# Allegro board ADALM-PLUTO Layout.brd (continued)
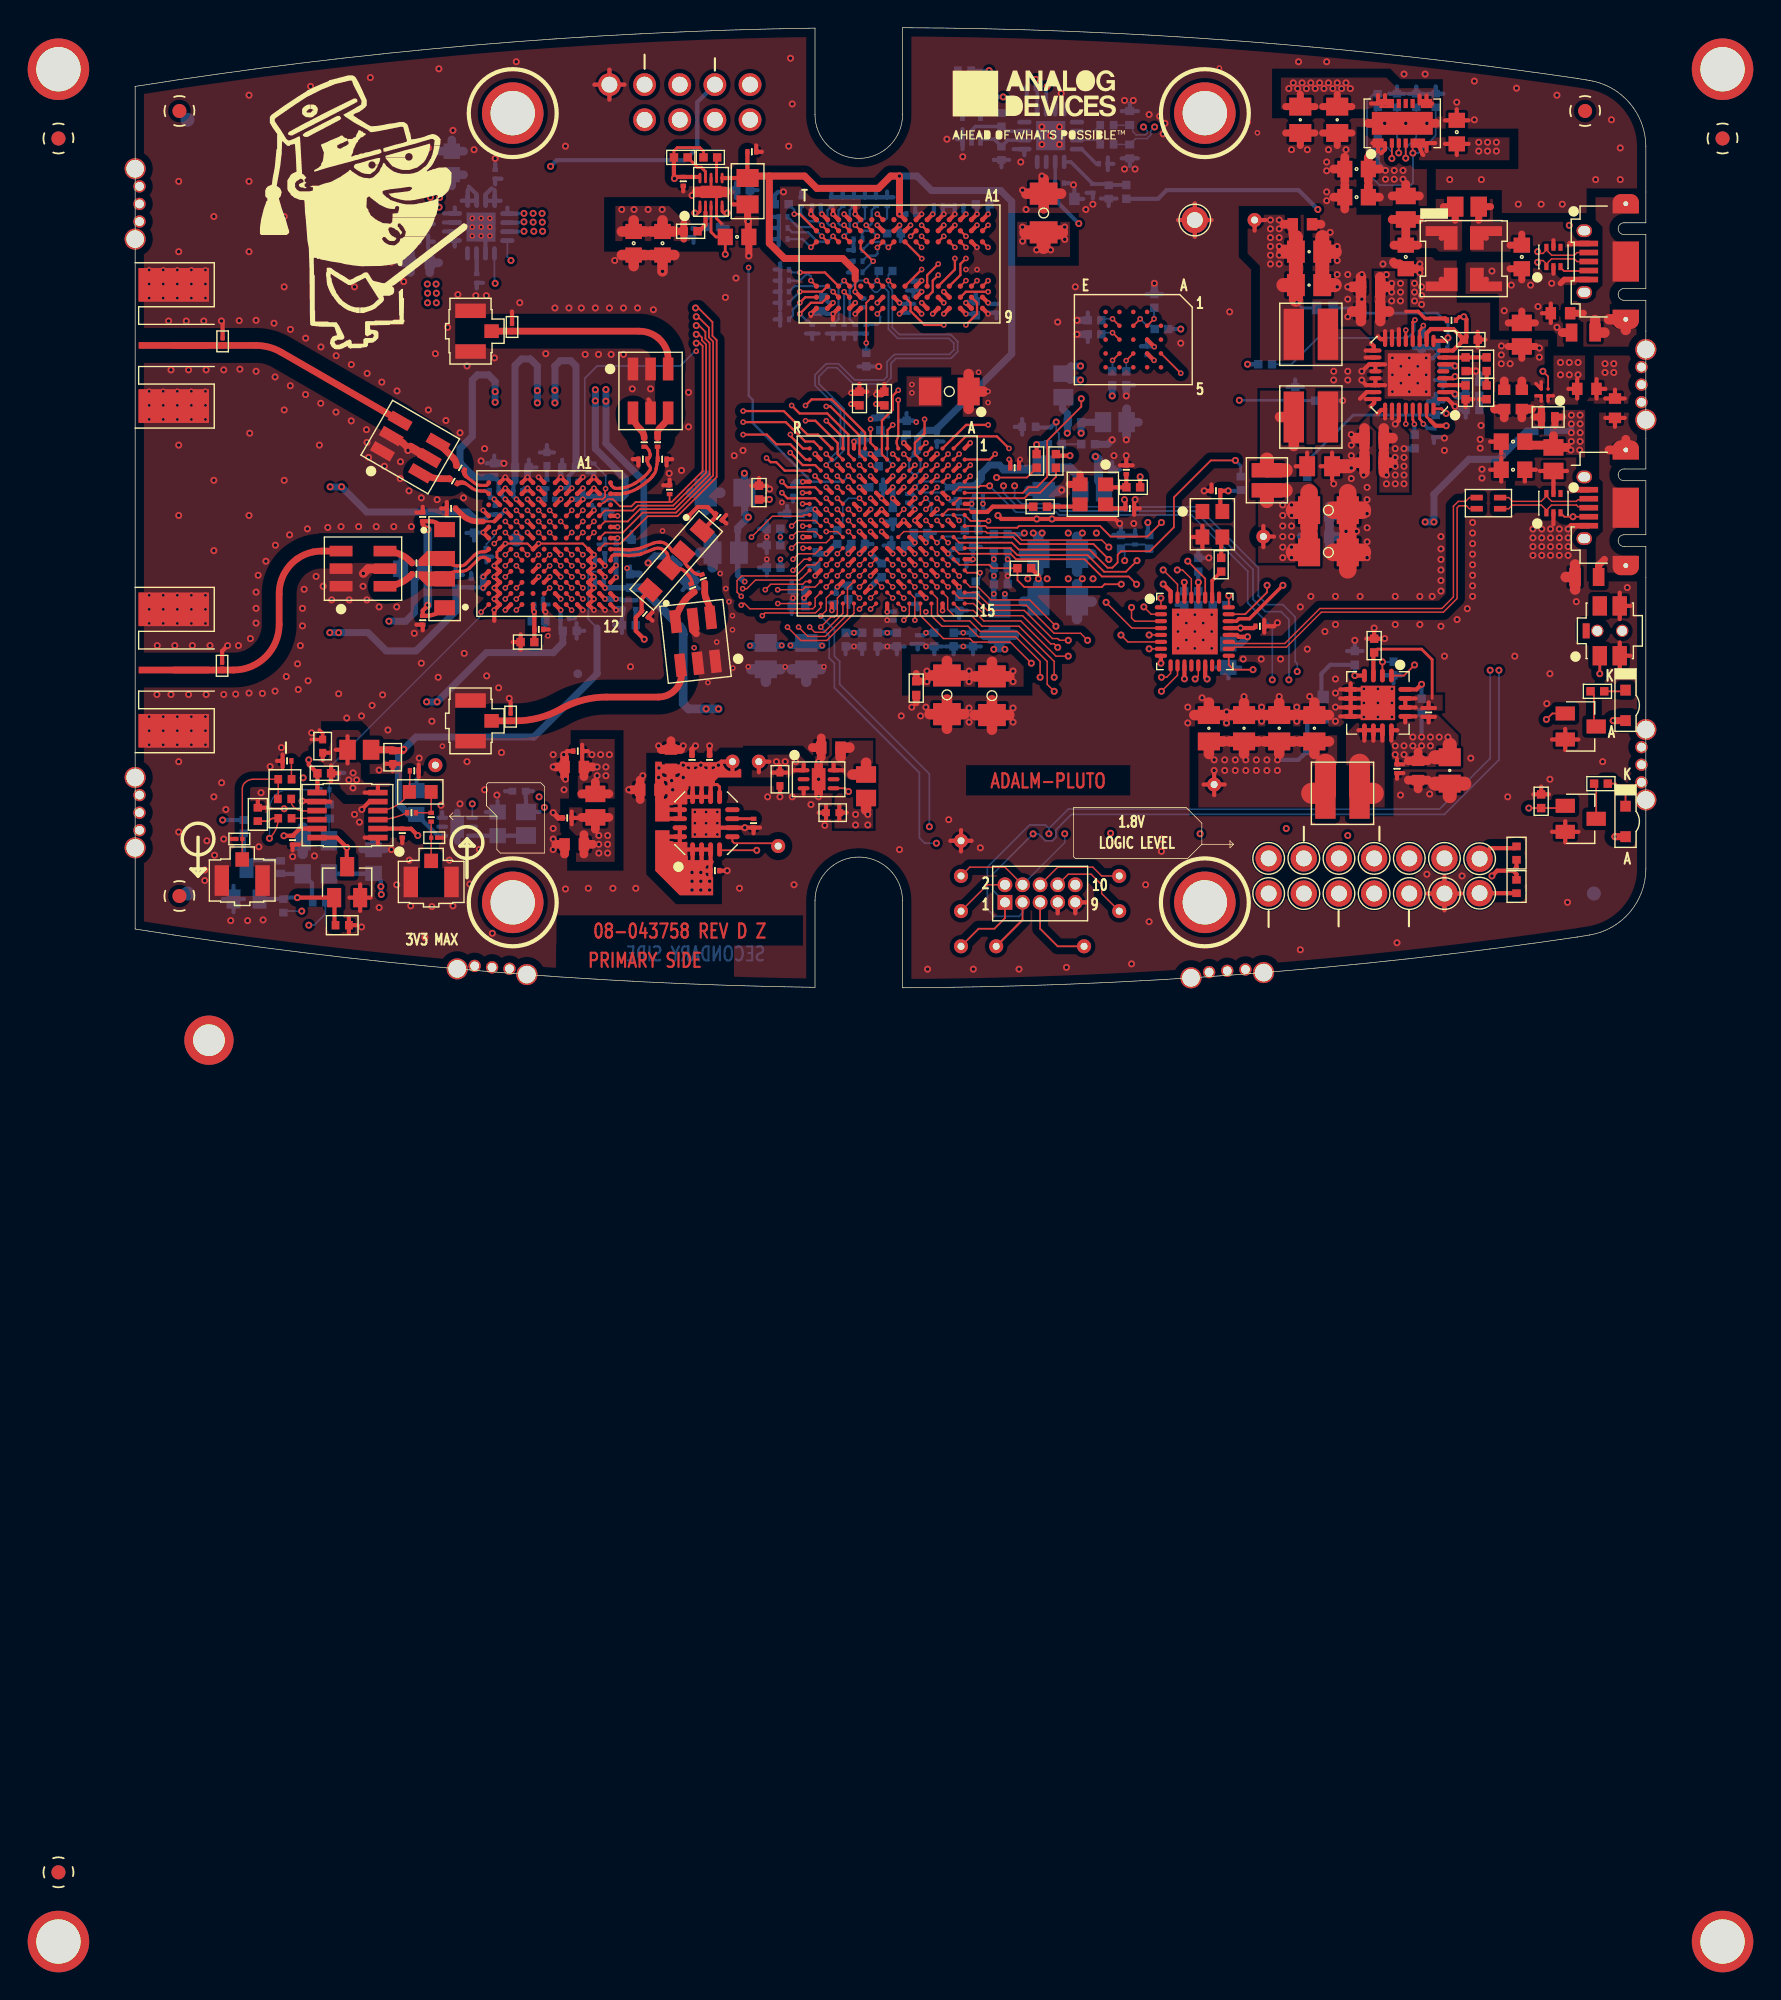
[diagram p0: board, top side]
## Routing (per net, layer and track width the routed paths; a pad name or vN(x,y) marks a point on that pad's centre or on a via; arc(x,y) is an arc through that point) (continued)
PGND: length 9.8
  TOP w0.305: 101.63,48.71 C181.1 ; C181.1 102.27,48.02 ; C181.1 102.27,49.41 ; 102.46,51.57 D2.2
  TOP w0.406: 102.97,50.87 103.24,51.15 P3.5
  TOP w0.508: 99.2,48.02 E10.2 ; E10.2 100.18,48.87 ; E10.2 101.15,48.02 ; 100.18,51.13 C214.2 99.32,51.93
  TOP w0.635: R58.2 103.1,47.32
  vias: v1(98.02,51.76) v1(98.91,48.89) v1(99.41,50.75) v1(100.81,50.75) v1(101.34,49.2) v1(102.33,50.87) v1(102.72,47.7) v1(103.6,55.06)
VCCPINT: length 38.6
  TOP w0.305: U4.G6 v2(54.73,35.35) ; U4.J10 v2(53.13,31.35) ; U4.E10 v2(57.13,31.35) ; UNK1P0V.1 77.95,15.44 ; UNK1P0V.1 77.95,13.92 ; UNK1P0V.1 77.19,14.68 ; UNK1P0V.1 78.71,14.68 ; U4.H5 v2(54.73,36.15) ; U4.F9 v2(56.33,32.15) ; U4.G10 v2(55.53,31.35) ; U4.K5 v2(52.33,36.15) ; U4.L10 v2(51.53,31.35)
  TOP w0.508: 56.43,22.69 C68.1 56.99,22.13
  TOP w0.762: 60.64,22.49 C64.1 ; C64.1 61.9,23.54 ; C64.1 63.16,22.49 ; 84.14,17.79 C21.1 ; C21.1 85.19,16.89 ; C21.1 86.24,17.79 ; 57.39,22.55 C71.1 ; C71.1 59.9,22.55 ; C71.1 58.65,23.61 ; 79.06,17.79 C20.1 ; C20.1 81.16,17.79 ; C20.1 80.11,16.89 ; C17.1 83.7,17.79 ; C17.1 82.65,16.89 ; C17.1 81.6,17.79 ; 78.62,17.79 C19.1 77.57,16.89
  TOP w1.524: 85,14.04 L4.2 85.99,16.14
  BOTTOM w0.305: v1(82.52,16.46) 84.03,16.46 R7.2
  BOTTOM w0.406: C73.1 52.33,36.15 v2(52.33,36.15) ; v2(53.13,31.35) 53.83,30.64 C66.1 ; v2(54.73,36.15) 54.73,36.15 v2(54.73,35.35) 54.73,35.35 C70.1 ; C75.1 56.33,32.76 v2(56.33,32.15) 56.23,32.05 55.73,32.05 C74.1 55.53,31.85 v2(55.53,31.35) ; C72.1 51.53,31.84 v2(51.53,31.35)
  vias: v1(57.2,22.87) v1(57.2,22.11) v1(60.25,22.87) v1(60.25,22.11) v1(63.42,22.87) v1(63.42,22.11) v1(77.95,16.46) v1(77.95,15.69) v1(78.71,16.46) v1(78.71,15.69) v1(79.47,16.46) v1(79.47,15.69) v1(80.24,16.46) v1(80.24,15.69) v1(81,16.46) v1(81,15.69) v1(81.76,16.46) v1(81.76,15.69) v1(82.52,15.69)
VCCPLL: length 18.1
  TOP w0.305: U4.F5 v2(56.33,36.15)
  BOTTOM w0.152: 56.73,35.75 56.34,36.15 v2(56.33,36.15) 56.33,36.15 56.73,36.55 58.33,36.55 58.73,36.15 58.34,35.75 56.73,35.75
  BOTTOM w0.508: 58.73,36.15 C178.1 59.54,36.25 60.63,36.25 61.14,36.75 61.14,37.15 61.74,37.75 62.44,37.75 62.74,37.45
  BOTTOM w0.635: E1.2 68.29,36.8 67.54,37.55 65.89,37.55 C85.1 65.28,37.45 62.74,37.45
VDD33_USB: length 3
  TOP w0.305: v1(80.36,25.35) 79.73,25.35 79.6,25.48 U15.20
  BOTTOM w0.508: C165.1 79.86,24.84 v1(80.36,25.35)
VDD_INTERFACE: length 10.2
  TOP w0.305: C32.1 32.29,16.08 C33.1 ; C45.1 C43.1 28.84,27.13 v2(28.83,27.14) 28.74,27.23 U5.H12 ; C33.1 32.29,17.55 ; C33.1 32.7,17.09
  TOP w0.635: 32.42,15.25 C32.1 33.06,15.95 ; 32.27,14 E4.2 ; E4.2 33.25,14.86 ; E4.2 34.23,14
  BOTTOM w0.305: C44.1 28.83,27.26 28.83,27.26 v2(28.83,27.14) 28.83,26.65 C38.1
  vias: v1(32.99,16.84) v1(33.37,15.95) v1(33.37,15.31) v1(33.63,16.84) v1(34.01,15.95) v1(34.01,15.31) v1(34.26,16.84)
VDDA1P1_RX_VCO: length 3.1
  TOP w0.305: U5.G3 v2(29.14,35.28) ; U5.G2 v2(29.14,36.08)
  BOTTOM w0.305: v2(29.15,35.28) C125.2 29.63,35.94 R51.2 29.73,36.08 v2(29.14,36.08)
VIN: length 59.9
  TOP w0.152: U6.28 v2(91.8,40.71)
  TOP w0.203: U14.10 40.72,58.56 ; R222.1 41.06,60.41 40.79,60.68 39.17,60.68 38.92,60.44 R221.1
  TOP w0.254: 91.79,48.84 92.68,48.84 93.19,48.33 93.57,48.33
  TOP w0.305: C169.1 51.41,12.65 ; C169.1 50.87,12.14 ; C169.1 50.87,13.16 ; 91.62,16.14 C8.1 91.16,16.55 ; 93.44,19.16 R1.2 ; R1.2 92.99,19.57 ; R1.2 93.9,19.57 ; 89.78,47.04 89.98,46.84 90.18,46.84 U6.16 90.3,47.42 ; 90.3,41.12 U6.25 90.21,41.73 90.02,41.73 89.76,41.48 ; U6.15 90.8,47.42 ; R221.1 38.92,58.48 v1(38.96,58.44) 39.08,58.56 C62.2 40.72,58.56 ; U15.21 v1(79.86,25.98) 80.8,25.98 C164.1 ; 92.5,19.6 U3.13 91.75,19.16 ; 90.76,17.85 U3.12 91.19,18.6 ; 90.29,64.46 U8.15 ; R56.1 94.65,48.33 93.57,48.33 ; 89.29,63.86 U8.16 89.79,64.46 ; 93.29,64.45 U8.9 93.7,63.86 ; U6.27 91.3,40.98 v1(91.03,40.71) ; 91.3,47.56 U6.14 ; U8.10 92.79,64.44 ; 90.8,41.12 U6.26
  TOP w0.508: C185.1 85.23,63.64 ; C185.1 83.12,63.64 ; C185.1 84.17,64.54 ; DS1.A v1(106.78,19.29) ; C184.1 87.9,63.64 ; C184.1 85.79,63.64 ; C184.1 86.84,64.54 ; DS2.A v1(106.91,10.91)
  TOP w0.635: C9.1 92.68,17.03 ; C9.1 93.38,16.39 ; C9.1 91.98,16.39
  TOP w0.762: 89.95,49.92 C138.1 ; C138.1 89.95,51.32 ; C138.1 90.59,50.62 ; C136.1 89.95,49.54 ; C136.1 90.59,48.84 ; C136.1 89.95,48.14 ; 90.21,37.22 C137.1 ; C137.1 90.21,38.62 ; C137.1 90.84,37.92 ; C135.1 90.84,39.7 ; C135.1 90.21,40.4 ; C135.1 90.21,39 ; 52.8,12.85 E2.1
  TOP w1.016: 94.97,17.55 C11.1 93.91,16.65
  BOTTOM w0.254: U9.10 66.46,58.12 C188.1 C215.1
  BOTTOM w0.305: C215.1 66.46,56.91 v1(68.17,55.19) ; R6.1 v1(92.94,18.11) ; 28.75,14.2 C123.1 28.21,13.69 ; 29.22,12.7 E7.1 28.24,13.55
  BOTTOM w0.406: v1(91.67,38.94) 92.42,38.94 R59.2
  vias: v1(29.18,13.79) v1(29.56,13.03) v1(52.04,12.52) v1(52.04,11.76) v1(52.93,12.52) v1(52.93,11.76) v1(83.35,64.94) v1(83.67,65.35) v1(83.98,64.94) v1(84.3,65.35) v1(84.62,64.94) v1(84.94,65.35) v1(85.25,64.94) v1(85.57,65.35) v1(85.89,64.94) v1(86.21,65.35) v1(86.52,64.94) v1(86.84,65.35) v1(87.16,64.94) v1(87.48,65.35) v1(87.79,64.94) v1(90.4,51.51) v1(90.4,37.03) v1(90.4,36.4) v1(90.78,50.87) v1(90.78,50.24) v1(90.78,49.6) v1(91.03,38.94) v1(91.03,38.3) v1(91.03,37.67) v1(91.03,37.03) v1(91.03,36.4) v1(91.03,17.47) v1(91.03,16.84) v1(91.41,50.87) v1(91.41,50.24) v1(91.41,49.6) v1(91.67,38.3) v1(91.67,37.67) v1(91.67,37.03) v1(91.67,36.4) v1(91.67,17.47) v1(91.67,16.84) v1(92.3,18.11) v1(92.3,17.47) v1(92.94,17.47) v1(93.57,18.11) v1(93.57,17.47) v1(94.21,18.11) v1(94.84,18.11)
VIN_5V_USB_DATA: length 12.2
  TOP w0.305: 95.48,60.14 C210.1 ; C210.1 96.33,60.94 ; C210.1 94.63,60.94 ; 93.06,60.14 92.99,60.22 92.79,60.7 U8.7 ; 93.29,60.43 U8.8 93.92,61
  TOP w0.508: 103.1,41.22 F1.2 102.57,40.61
  TOP w0.635: C183.1 100.65,39.19 102.3,39.19 E3.1 ; E3.1 102.46,39.87 ; E3.1 103.44,39.02
  BOTTOM w0.406: R88.1 103.64,40.21 v1(103.75,40.09) v1(103.75,40.72)
  vias: v1(97.07,61.06) v1(97.07,60.43) v1(97.7,61.06) v1(97.7,60.43) v1(98.34,61.06) v1(98.34,60.43) v1(103.72,38.83) v1(103.75,41.36) v1(103.75,39.45) v1(104.39,41.36) v1(104.39,40.72) v1(104.39,40.09) v1(104.39,39.45) v1(104.36,38.83)
VIN_5V_USB_POWER: length 27.9
  TOP w0.254: 102.08,42.37 U16.A1 102.46,42.75
  TOP w0.305: 89.38,61 U8.1 89.79,60.42 ; U8.2 90.29,60.55 90.02,60.27 ; 104.18,42.55 C182.1 ; C182.1 104.18,43.95 ; C182.1 103.54,43.25
  TOP w0.635: 90.82,57.18 E9.1 ; E9.1 91.79,58.04 ; E9.1 92.77,57.18 ; C209.1 89.89,59.13 ; C209.1 89.09,58.28 ; C209.1 89.09,59.98 ; 89.89,57.1 C212.1 89.09,57.95
  BOTTOM w0.305: v1(90.32,59.03) 89.76,59.59 R70.1 ; v1(85.44,56.21) 84.05,57.6 74.52,57.6 73.9,56.98 R80.1
  vias: v1(90.32,58.39) v1(90.96,59.03) v1(90.96,58.39) v1(91.59,59.03) v1(91.59,58.39) v1(102.97,45.16) v1(102.97,44.27) v1(103.6,45.16) v1(103.6,44.27) v1(104.24,45.16) v1(104.24,44.27)
1P3_SUPPLY_A: length 79.2
  TOP w0.203: U7.9 42.22,14.51 42.06,14.68 41.69,14.68 41.57,14.56
  TOP w0.305: 39.77,16.14 C16.1 ; C16.1 40.69,16.14 ; C16.1 40.23,15.73 ; U5.J3 v2(27.55,35.28) ; U5.F2 v2(30.74,36.08) ; U7.11 U7.10 41.57,14.56 ; U7.11 40.92,14.56 ; U7.11 U7.12 ; U7.12 40.27,14.56 ; U7.12 39.84,13.78 ; U7.13 U7.14 38.57,12.21 ; U7.13 38.57,12.86 ; U7.13 39.35,13.29 ; 41.04,16.14 C18.1 ; C18.1 41.5,15.73 ; C18.1 41.96,16.14 ; 42.39,16.33 UNK1P3V_A.1 43.15,15.57 ; U5.E2 v2(31.54,36.08) ; U5.B10 v2(33.94,28.88) ; U5.K3 v2(26.74,35.28) ; U5.B9 v2(33.94,29.68)
  TOP w0.635: 37.88,13.6 C15.1 ; C15.1 37.88,15 ; C15.1 38.52,14.3 ; 38.01,15.81 C14.1 ; C14.1 38.71,15.17 ; C14.1 39.41,15.81
  BOTTOM w0.305: 31.46,36.08 v2(31.54,36.08) ; 31.46,36.08 v2(30.74,36.08) ; 31.46,36.08 31.33,36.2 C23.1 31.33,36.96 31.84,37.47 C28.1 ; v2(33.94,29.68) 33.86,29.6 C40.1 33.86,28.96 v2(33.94,28.88) ; v2(26.74,35.28) 26.49,35.53 26.49,35.64 C24.1 26.26,36.57 C29.1 ; 27.45,36.58 27.33,36.46 C39.1 27.33,35.5 v2(27.55,35.28)
  BOTTOM w0.406: C35.1 33.95,28.88 v2(33.94,28.88)
  BOTTOM w0.508: v1(29.06,42.24) v1(29.06,43.13) 29.06,44.9 28.55,45.41 27.91,45.41 27.45,44.95 C34.1 27.45,36.58 ; v1(26.01,42.29) v1(26.01,43.05) 26.01,43.79 25.53,44.26 24.73,44.26 24.36,43.89 24.36,39.82 23.47,38.94 23.47,37.92 24.5,36.88 C29.1 ; v1(30.33,42.24) v1(30.33,43.15) 30.33,44.9 30.71,45.29 31.47,45.29 31.84,44.91 C28.1
  BOTTOM w0.635: v1(42.14,20.14) v1(41.25,20.14) 39.98,20.14 39.6,20.52 39.6,25.52 arc(39.54,25.83) 39.36,26.09 36.57,28.88 C35.1
  vias: v1(37.82,15.19) v1(37.84,15.87) v1(38.76,14.96) v1(38.83,14.3) v1(39.6,16.08) v1(39.6,15.19) v1(40.87,16.08) v1(42.14,16.08)
1P3_SUPPLY_B: length 119.6
  TOP w0.305: U5.K4 v2(26.74,34.48) ; U5.A10 34.71,29.64 v2(34.75,29.64) ; U5.D2 v2(32.34,36.08) ; U5.A9 34.34,30.1 v2(34.75,30.5) ; U5.M10 v2(25.14,28.88) ; v1(36.78,25.17) 36.17,25.78 36.17,26.74 36.59,27.17 C193.2 36.59,28.11 L7.1 ; L1.1 41.92,33.96 C166.2 41.85,34.22 41.35,34.72 40.64,34.72 v1(39.93,34.01) ; U5.F12 v2(30.74,27.28) ; U5.M9 v2(25.14,29.68) ; v1(21.14,27.63) 21.14,27.6 20.78,27.24 C129.2 20.97,26.86 arc(21.71,27.01) 22.34,27.43 L8.1 ; L9.1 22.07,33.38 arc(21.72,33.61) 21.31,33.69 C194.2 20.78,33.45 v1(21.14,33.09) ; U5.E3 v2(31.54,35.28) ; U5.D3 v2(32.34,35.28)
  BOTTOM w0.305: C6.1 21.17,55.61 ; C6.1 21.17,54.7 ; C6.1 21.57,55.15 ; C5.1 21.17,54.34 ; C5.1 21.16,53.43 ; C5.1 21.57,53.88 ; v2(30.74,27.28) 30.73,27.26 C26.1 30.73,25.95 C30.1 ; 23.24,28.92 23.22,28.92 C192.1 ; 23.24,28.92 C191.1 25.11,28.92 v2(25.14,28.88) ; 23.24,28.92 23.16,28.83 ; 23.09,53.54 U1.9 22.31,53.97 ; U1.13 24.02,57.62 ; U1.13 23.59,56.84 ; U1.13 24.02,56.84 U1.14 24.67,57.29 24.1,57.86 ; C31.1 35.84,31.4 C27.1 ; 23.09,56.35 U1.12 22.32,55.92 ; v2(26.74,34.48) 26.45,34.18 26.01,34.18 C41.1 25.62,34.17 25.25,33.8 24.53,33.8 C36.1 ; 22.31,54.62 U1.10 ; 22.32,55.27 U1.11
  BOTTOM w0.381: C27.1 v2(34.75,30.5) v2(34.75,29.64)
  BOTTOM w0.406: v2(31.54,35.28) v2(32.34,35.28) 32.34,35.37 ; 32.34,35.37 32.47,35.49 C42.1 33.83,35.49 C37.1 ; 32.34,35.37 v2(32.34,36.08)
  BOTTOM w0.508: v2(25.14,29.68) 25.14,29.68 v2(25.14,28.88) ; v1(14.09,36.18) v1(14.91,36.18) 16.73,34.36 24.02,34.36 24.48,33.9 C36.1 ; C37.1 35.14,35.37 35.41,35.63 35.41,36.78 33.24,38.94 v1(33.24,42.39) v1(33.24,43.19) ; C30.1 30.9,24.9 30.2,24.2 25.37,24.2 v1(21.82,20.65) v1(21.05,20.65) ; v1(14.06,25.65) v1(14.7,25.65) 16.82,25.65 18.13,24.33 20.29,24.33 23.16,27.2 23.16,28.83 ; v1(34.01,43.2) v1(34.01,42.36) 34.01,39.32 36.75,36.58 36.75,31.77 36.36,31.38 C31.1 ; v1(37.06,30.68) 37.56,31.19 38.12,31.19 C167.1 ; C155.1 20.88,30.19 20.17,29.47 20.17,27.09 19.55,26.47 v1(18.33,26.47)
  BOTTOM w0.635: 22.87,57.92 C3.1 ; C3.1 23.72,58.71 ; C3.1 22.02,58.72 ; v1(21.14,33.09) 21.14,30.52 C155.1 21.14,30.01 v1(21.14,27.63) ; C4.1 21.92,52.36 ; C4.1 21.29,53.06 ; C4.1 21.28,51.66
  vias: v1(21.11,50.82) v1(21.12,50.16) v1(21.12,49.46) v1(21.32,56.37) v1(21.33,57.73) v1(21.33,57.08) v1(21.74,50.82) v1(21.76,50.16) v1(21.76,49.46) v1(21.99,57.73) v1(21.99,57.07) v1(21.96,56.37)
1P8V_CLK: length 10.7
  TOP w0.305: 47.61,15.71 U12.1 48.29,16.12 ; 45.82,16.33 UNK1P8V_CLK.1 45.06,15.57 ; 46.07,15.54 C170.1 ; C170.1 47.09,15.54 ; C170.1 46.58,16.07
  BOTTOM w0.305: v1(17.78,6.74) 17.75,6.77 v1(17.75,7.31) 17.75,7.73 C121.1 17.19,8.24 C122.1 14.02,8.24 Y3.4 ; R101.1 v1(6.32,12.11)
  vias: v1(46.33,16.33) v1(46.96,16.33) v1(47.72,16.33)
3P3V: length 102.9
  TOP w0.305: U5.B8 v2(33.94,30.48)
  TOP w0.508: v1(19.4,17.22) 19.32,17.13 C199.1 18.55,17.19 E8.1
  L6_SIG w0.305: v1(30.01,59.32) 27.79,57.1 24.23,57.1 18.4,51.27 18.4,42.89 18.52,42.77 18.52,36 19.41,35.12 19.41,27.29 19.4,27.28 v1(19.4,17.22)
  BOTTOM w0.127: 33.37,25.98 32.74,26.62 32.74,29.92 32.88,30.06 33.52,30.06 v2(33.94,30.48)
  BOTTOM w0.305: v2(33.94,30.48) 33.94,31.37 C203.1 ; C198.1 21.87,10.98 U11.1 ; v1(30.01,59.32) 30.45,59.76 39.72,59.76 40.61,60.65 40.61,63.95 VDD_GPO.1
  BOTTOM w0.508: C198.1 19.77,12.53 19.02,13.28 19.02,16.84 v1(19.4,17.22) 20.29,18.11 28.8,18.11 33.37,22.68 33.37,25.98
3P3V_CLK: length 12.6
  TOP w0.305: R85.1 14.72,15.49 ; R85.1 14.16,16.05 ; R85.1 14.16,14.93 ; 14.49,17.19 E8.2 ; E8.2 15.34,18.17 ; E8.2 15.34,16.21 ; 16.59,14.09 U17.6 17.54,14.55 ; U17.2 19.29,11.49 C202.1 19.93,11.48 v1(20.42,11) ; 14.06,16.97 C200.1 13.55,16.44 ; v1(10.75,10.98) C201.1 11.89,11.49 U17.11
  vias: v1(15.44,15.01) v1(15.75,15.52) v1(15.74,14.43) v1(16,15.01)
AD9363_AUXADC: length 50
  TOP w0.127: U5.L5 v2(25.95,32.88)
  L6_SIG w0.127: v2(25.95,32.88) U5.L5 26.94,33.28 27.14,33.48 27.14,33.98 27.27,34.1 27.77,34.1 27.95,34.28 27.95,37.18 28.42,37.66 28.42,48.57 29.99,50.14 29.99,57.78 35.53,63.32 35.53,66.49 36.04,67 42.64,67 ADC.1
  BOTTOM w0.127: v2(25.95,32.88) 25.95,32.61 25.37,32.04 C207.2
AD9363_AUXDAC1: length 117.9
  TOP w0.127: 38.61,35.07 36.15,35.07 35.85,34.77 35.03,34.77 34.52,35.28 34.14,35.28 33.93,35.07 U5.B3 ; 38.61,35.07 38.76,35.07 40.99,37.31 40.99,46.35 40.79,46.56 v1(40.54,46.56) ; 38.61,35.07 38.61,35.08 C206.1
  L5_SIG w0.127: v1(12.55,4.52) 12.16,4.52 7.72,8.96 7.72,16.08 9.62,17.98 9.62,24.2 11.66,26.24 11.66,26.31 11.91,26.56 11.98,26.56 16.74,31.32 16.74,34.87 17.37,35.51 17.37,39.44 24.48,46.56 v1(40.54,46.56)
  L6_SIG w0.127: DAC1.1 37.92,64.11 37.92,61.77 37.31,61.16 34.39,61.16 31.98,58.75 31.98,55.42 33.86,53.54 37.29,53.54 38.99,51.84 38.99,47.72 40.16,46.56 v1(40.54,46.56)
  BOTTOM w0.127: R5.1 13.79,6.2 13.74,6.25 13.74,5.33 12.93,4.52 v1(12.55,4.52)
AD9363_AUXDAC2: length 45
  TOP w0.127: v2(33.98,36.04) 33.95,36 33.95,35.47 33.76,35.28 33.15,35.28 U5.C3
  L6_SIG w0.127: v2(40.54,45.97) 40.51,45.97 40.49,45.95 40.21,45.95 38.8,47.35 arc(38.75,47.43) 38.73,47.51 38.73,51.7 38.71,51.76 37.23,53.24 arc(37.18,53.27) 37.12,53.29 33.82,53.29 arc(33.76,53.3) 33.71,53.33 31.77,55.27 arc(31.74,55.32) 31.72,55.39 31.72,58.93 arc(31.74,59) 31.77,59.05 35.41,62.68 DAC2.1
  BOTTOM w0.127: v2(33.98,36.04) 34,36.06 34,36.97 C208.1 33.06,37.86 32.48,38.43 32.48,44.02 33.37,44.9 39.37,44.9 40.44,45.97 v2(40.54,45.97)
AD9363_GPO_0: length 51
  TOP w0.127: v1(40.49,49.1) 40.69,49.1 41.71,48.08 41.71,47.08 42.01,46.77 42.01,36.89 39.18,34.06 37.03,34.06 35.05,32.08 33.94,32.08 U5.B7
  L6_SIG w0.127: v1(40.49,49.1) 40.23,49.1 40,49.32 40,52.26 39.92,52.35 38.83,53.44 38.47,53.79 38.47,53.79 38.13,54.14 37.71,54.56 34.28,54.56 32.99,55.85 32.99,57.73 34.87,59.61 41.35,59.61 GPO0.1
AD9363_GPO_1: length 48.9
  TOP w0.127: U5.B6 33.94,32.88 35.24,32.88 36.68,34.31 39.08,34.31 41.76,36.99 41.76,46.67 41.45,46.97 41.45,47.67 40.66,48.46 v1(40.54,48.46)
  L6_SIG w0.127: GPO1.1 41.88,61.54 40.35,60.01 34.76,60.01 32.74,57.99 32.74,55.74 34.18,54.3 37.6,54.3 37.95,53.96 38.37,53.54 39.01,52.9 39.69,52.22 39.75,52.16 39.75,48.74 40.03,48.46 v1(40.54,48.46)
AD9363_GPO_2: length 46.2
  TOP w0.127: U5.B5 33.94,33.68 35.58,33.68 36.47,34.57 38.97,34.57 41.5,37.1 41.5,46.56 41.2,46.87 41.2,47.37 40.74,47.83 v1(40.54,47.83)
  L6_SIG w0.127: v1(40.54,47.83) 40.03,47.83 39.5,48.36 39.5,52.05 39.41,52.14 39.33,52.22 37.77,53.78 37.5,54.05 34.07,54.05 32.48,55.64 32.48,58.24 34.66,60.41 38.21,60.41 39.34,61.54 GPO2.1
AD9363_GPO_3: length 47.8
  TOP w0.127: v1(40.54,47.19) 40.71,47.19 40.94,46.96 40.94,46.76 41.25,46.46 41.25,37.2 38.86,34.82 36.32,34.82 35.96,34.47 33.93,34.47 U5.B4
  L6_SIG w0.127: v1(40.54,47.19) 40.03,47.19 39.24,47.98 39.24,51.95 39.15,52.04 37.59,53.6 37.39,53.79 33.97,53.79 32.23,55.53 32.23,58.49 34.55,60.81 37.47,60.81 38.22,61.56 38.22,64.1 GPO3.1
ADP2114_VIN: length 20.7
  TOP w0.203: U6.31 93.3,41.24 93.57,40.97
  TOP w0.254: R56.2 95.67,48.46 v1(95.98,48.46)
  TOP w0.305: U6.4 95.23,44.02 v1(95.35,44.14) ; 93.57,40.97 93.95,40.59 v1(94.71,40.59) ; v1(95.98,48.46) 96.18,48.27 96.18,46.99 C141.1 ; U6.10 93.3,47.27 93.6,47.57 95.24,47.57 C141.1 ; U6.8 95.21,46.02 C141.1
  L5_SIG w0.305: v1(94.71,40.59) 95.22,40.59 96.1,41.46 96.1,43.02 95.35,43.76 v1(95.35,44.14) 95.68,44.14 95.98,44.45 v1(95.98,48.46)
CLK_SOURCE_SEL: length 7.5
  TOP w0.305: v1(11.72,6.51) Q3.1 14.4,6.49 14.4,4.59 R103.1
  BOTTOM w0.305: Q2.1 10.71,6.41 R102.1 10.83,6.51 v1(11.72,6.51)
COMP_1P8V: length 2.8
  TOP w0.305: v1(95.35,42.87) 95.2,43.02 U6.2
  BOTTOM w0.508: v1(95.35,42.87) 95.48,42.75 R60.1 C142.2
COMP_1P35V: length 3.1
  TOP w0.305: C144.1 C143.2 96.1,45.52 U6.7
CTRL_IN0: length 52.1
  TOP w0.102: U4.F13 v2(56.33,28.95) ; U5.C5 v2(33.14,33.68)
  L6_SIG w0.114: v2(33.14,33.68) 33.15,33.68 33.55,34.08 33.55,34.68 33.35,34.88 31.35,34.88 30.34,33.88 30.34,32.68 30.15,32.48 28.65,32.48 27.95,31.78 27.95,24.43 30.07,22.3 38.54,22.3 38.66,22.42 39.01,22.42 39.13,22.3 41.1,22.3 41.22,22.42 41.53,22.42 41.65,22.3 53.49,22.3 56.72,25.53 56.72,26.91 56.33,27.31 v2(56.33,28.95)
CTRL_IN1: length 47.2
  TOP w0.102: U4.F14 55.93,28.54 56.33,28.14 v2(56.33,26.55) ; U5.C6 v2(33.14,32.88)
  L6_SIG w0.114: v2(33.14,32.88) 33.14,32.89 32.75,33.28 32.75,33.88 32.55,34.08 31.75,34.08 30.82,33.15 30.82,32.75 30.11,32.05 29.71,32.05 29.35,31.68 28.84,31.68 28.74,31.58 28.74,31.07 28.35,30.68 28.35,24.66 30.33,22.68 53.27,22.68 56.33,25.74 v2(56.33,26.55)
CTRL_IN2: length 37.8
  TOP w0.102: v2(55.53,27.35) U4.G15 ; U5.D6 v2(32.34,32.88)
  L6_SIG w0.114: v2(55.53,27.35) 54.96,26.78 54.96,26.37 54.66,26.07 54.06,26.07 52.19,24.2 40.55,24.2 40.54,24.19 40.23,24.19 40.21,24.2 39.31,24.2 39.24,24.14 38.89,24.14 38.82,24.2 31.82,24.2 31.25,24.77 31.25,24.94 31.22,24.96 31.22,25.27 31.25,25.3 31.25,25.57 30.05,26.77 30.05,28.04 29.55,28.54 29.55,30.68 29.75,30.88 30.15,30.88 30.35,31.08 30.35,31.48 31.22,32.35 31.61,32.35 32.14,32.88 v2(32.34,32.88)
CTRL_IN3: length 41.3
  TOP w0.102: v2(55.53,26.55) 55.93,26.95 U4.F15 ; U5.D5 v2(32.34,33.68)
  L6_SIG w0.114: v2(55.53,26.55) 55.53,25.75 54.97,25.18 53.98,25.18 52.61,23.82 30.71,23.82 29.25,25.28 29.25,27.67 28.75,28.17 28.75,30.68 28.95,30.88 29.35,30.88 29.55,31.08 29.55,31.48 29.76,31.7 30.17,31.7 31.12,32.65 31.12,33.05 31.34,33.28 U5.D5 v2(32.34,33.68)
DDR3_A0: length 30.1
  TOP w0.165: v2(43.92,40.85) 47.01,40.85 47.5,40.36 47.5,40.36 48.41,39.45 49.03,39.45 U4.P1 ; U2.N3 51.22,54.27 v2(51.22,54.27)
  L6_SIG w0.165: v2(43.92,40.85) 43.32,41.45 43.32,42.04 43.52,42.23 43.91,42.23 44.11,42.43 44.11,42.71 43.91,42.91 43.52,42.91 43.32,43.1 43.32,43.38 43.52,43.58 43.91,43.58 44.11,43.78 44.11,44.06 43.91,44.25 43.52,44.25 43.32,44.45 43.32,47.48 46.51,50.67 49.02,50.67 49.41,51.07 49.41,51.87 51.22,53.68 v2(51.22,54.27)
  BOTTOM w0.165: v2(51.22,54.27) 51.62,54.67 51.62,56.16 R16.1
DDR3_A1: length 33.2
  TOP w0.165: U4.N1 49.33,39.95 48.57,39.95 46.87,41.65 v2(43.92,41.65) ; v2(48.03,51.66) 49.83,51.66 U2.P7
  L6_SIG w0.165: v2(48.03,51.66) 46,51.66 45.38,51.03 45.1,51.03 44.83,51.31 44.55,51.31 44.35,51.11 44.35,50.83 44.62,50.56 44.62,50.28 44.43,50.08 44.15,50.08 43.88,50.35 43.6,50.35 43.4,50.16 43.4,49.88 43.67,49.61 43.67,49.33 43.47,49.13 43.07,49.13 42.72,48.78 42.72,48.38 42.51,48.17 42.51,40.56 43.61,39.46 44.21,39.46 44.41,39.66 44.41,41.16 v2(43.92,41.65)
  BOTTOM w0.165: R22.1 47.45,51.66 v2(48.03,51.66)
DDR3_A2: length 35.7
  TOP w0.165: U4.M1 51.13,39.75 v2(49.93,40.95) ; U2.P3 v2(50.42,54.27)
  L5_SIG w0.165: v2(50.42,54.27) 50.02,53.87 48.5,53.87 45.83,51.2 45.83,39.25 47.59,37.49 47.87,37.49 48.03,37.65 48.03,38.75 48.23,38.95 48.53,38.95 48.73,38.75 48.73,37.75 48.93,37.55 49.13,37.55 49.53,37.95 49.53,38.95 49.93,39.35 49.93,39.65 49.23,40.35 49.23,40.65 49.53,40.95 v2(49.93,40.95)
  BOTTOM w0.165: v2(50.42,54.27) 50.02,53.87 49.3,53.87 48.61,54.56 47.45,54.56 R17.1
DDR3_A3: length 31.5
  TOP w0.165: U2.N2 v2(51.22,55.07) ; U4.M4 v2(50.73,36.95)
  L5_SIG w0.165: v2(50.73,36.95) 51.02,36.95 51.13,37.06 51.13,37.97 51.48,38.33 51.48,38.63 51.28,38.83 50.9,38.83 50.73,39 50.73,42.75 50.53,42.95 49.93,42.95 49.53,43.35 49.53,44.55 49.71,44.73 50.13,44.73 50.33,44.93 50.33,45.21 50.13,45.4 49.73,45.4 49.53,45.6 49.53,45.88 49.73,46.08 50.13,46.08 50.33,46.27 50.33,46.55 50.13,46.75 49.73,46.75 49.53,46.95 49.53,47.23 49.73,47.42 50.13,47.42 50.33,47.62 50.33,48.06 50.12,48.27 49.92,48.27 49.73,48.46 49.73,49.56 50.04,49.87 50.64,49.87 50.82,50.04 50.82,51.73 51,51.92 51.51,51.92 51.69,52.09 51.69,52.58 51.85,52.74 52.59,52.74 52.75,52.9 52.75,53.12 52.59,53.28 51.85,53.28 51.69,53.44 51.69,53.74 51.85,53.9 52.6,53.9 52.76,54.06 52.76,54.28 52.6,54.44 51.65,54.44 51.46,54.63 51.46,54.83 v2(51.22,55.07)
  BOTTOM w0.165: R23.1 50.82,56.16 50.82,55.2 50.94,55.07 v2(51.22,55.07)
DDR3_A4: length 26.7
  TOP w0.165: U4.P3 49.13,37.75 48.23,37.75 v2(47.33,38.65) ; v2(50.42,50.27) U2.P8
  L6_SIG w0.165: v2(47.33,38.65) 46.93,38.25 46.72,38.25 46.51,38.46 46.51,39.26 46.71,39.46 47.61,39.46 47.81,39.66 47.81,40.23 48.04,40.46 48.84,40.46 49.13,40.75 49.13,41.25 48.91,41.46 46.71,41.46 46.41,41.76 46.41,44.66 49.82,48.07 50.62,48.07 50.83,48.28 50.83,49.86 v2(50.42,50.27)
  BOTTOM w0.165: v2(50.42,50.27) 50.02,50.67 47.64,50.67 R18.1
DDR3_A5: length 24
  TOP w0.165: U2.P2 v2(50.42,55.07) ; v2(49.11,36.96) U4.P4
  L5_SIG w0.165: v2(50.42,55.07) 50.82,54.67 50.82,53.97 51.23,53.56 51.23,52.78 50.43,51.98 50.43,50.88 49.33,49.78 49.33,48.36 49.13,48.16 49.13,43.15 49.73,42.55 50.13,42.55 50.33,42.35 50.33,38.85 50.45,38.73 50.45,38.17 50.33,38.05 50.33,38.05 50.33,37.55 50.13,37.35 49.5,37.35 v2(49.11,36.96)
  BOTTOM w0.165: v2(50.42,55.07) 50.14,55.07 50.02,55.2 50.02,56.16 R24.1
DDR3_A6: length 26.8
  TOP w0.165: U4.P5 49.13,36.15 47.13,36.15 v2(46.72,36.55) ; v2(48.01,48.67) 48.81,49.47 49.62,49.47 U2.R8
  L6_SIG w0.165: v2(48.01,48.67) 47.62,49.07 47.29,49.07 47.09,48.87 47.09,48.49 47.33,48.26 47.33,47.96 47.13,47.76 46.63,47.76 46.42,47.96 46.42,48.74 46.29,48.87 46.01,48.87 45.61,48.47 45.61,48.11 45.84,47.88 45.84,47.6 45.65,47.4 45.37,47.4 45.1,47.67 44.82,47.67 44.21,47.07 44.21,45.26 45.21,44.26 45.21,39.16 44.91,38.86 44.91,38.36 v2(46.72,36.55)
  BOTTOM w0.165: R19.1 48.63,48.17 48.52,48.17 v2(48.01,48.67)
DDR3_A7: length 30.3
  TOP w0.165: U4.M5 v2(50.73,36.15) ; U2.R2 v2(49.62,55.07)
  L5_SIG w0.165: v2(49.62,55.07) 49.31,55.37 48.82,55.37 45.02,51.58 45.02,37.95 45.67,37.3 46.57,37.3 47.73,36.15 48.63,36.15 49.03,35.75 50.33,35.75 v2(50.73,36.15)
  BOTTOM w0.165: v2(49.62,55.07) 49.33,55.36 48.63,55.36 48.12,55.87 R25.1
DDR3_A8: length 24.1
  TOP w0.165: v2(46.72,35.75) 47.12,35.35 49.13,35.35 U4.P6 ; U2.T8 48.41,49.87 v2(48.01,49.47)
  L6_SIG w0.165: v2(48.01,49.47) 46.01,49.47 43.81,47.27 43.81,45.06 44.81,44.06 44.81,39.46 44.51,39.16 44.51,38.06 46.42,36.16 v2(46.72,35.75)
  BOTTOM w0.165: R20.1 47.52,48.55 47.52,48.97 v2(48.01,49.47)
DDR3_A9: length 27.7
  TOP w0.165: U4.N4 v2(49.93,36.95) ; v2(49.61,54.27) U2.R3
  L5_SIG w0.165: v2(49.93,36.95) 49.43,36.45 48.93,36.45 48.33,37.05 47.43,37.05 45.43,39.05 45.43,51.36 48.34,54.27 v2(49.61,54.27)
  BOTTOM w0.165: R26.1 47.87,54.94 48.95,54.94 v2(49.61,54.27)
DDR3_A10: length 39.2
  TOP w0.165: v2(53.13,40.35) 53.13,39.35 U4.J1 ; v2(52.81,51.07) 53.21,50.67 U2.L7
  L5_SIG w0.165: v2(53.13,40.35) 53.53,39.95 53.53,36.6 53.68,36.45 54.13,36.45 54.33,36.25 54.33,35.95 54.13,35.75 52.93,35.75 52.73,35.95 52.73,39.95 52.32,40.36 52.32,41.18 52.73,41.59 52.93,41.59 53.13,41.79 53.13,42.06 52.93,42.26 52.73,42.26 52.53,42.46 52.53,42.74 52.73,42.93 53.03,42.93 53.32,43.22 53.32,43.45 53.1,43.67 52.32,43.67 52.13,43.86 52.13,44.06 52.35,44.28 53.1,44.28 53.23,44.41 53.23,45.16 53.03,45.36 52.73,45.36 52.24,44.87 51.92,44.87 51.63,45.15 51.63,45.54 51.83,45.74 52.23,45.74 52.43,45.94 52.43,46.22 52.23,46.41 51.83,46.41 51.63,46.62 51.63,47.26 51.83,47.46 52.13,47.46 52.43,47.16 52.43,47.15 53.43,47.15 53.63,47.35 53.63,47.73 53.43,47.93 52.63,47.93 52.43,48.13 52.43,48.41 52.63,48.6 52.93,48.6 53.13,48.8 53.13,49.6 53.63,50.1 53.63,50.51 53.48,50.66 53.23,50.66 v2(52.81,51.07)
  BOTTOM w0.165: v2(52.81,51.07) 52.22,51.07 51.62,50.47 51.62,48.28 R21.1
DDR3_A11: length 32.7
  TOP w0.165: U2.R7 49.62,50.27 v2(48.02,50.27) ; v2(47.43,42.05) 48,41.48 50,41.48 51.53,39.95 51.53,38.55 U4.L2
  L5_SIG w0.165: v2(48.02,50.27) 47.62,49.87 47.62,49.27 47.81,49.07 48.22,49.07 48.42,48.87 48.42,48.35 48.23,48.16 47.83,48.16 47.63,47.96 47.63,47.52 47.82,47.32 48.53,47.32 48.73,47.12 48.73,46.84 48.53,46.65 47.82,46.65 47.63,46.45 47.63,46.17 47.82,45.97 48.53,45.97 48.73,45.77 48.73,45.5 48.53,45.3 47.82,45.3 47.63,45.1 47.63,44.82 47.82,44.63 48.53,44.63 48.73,44.43 48.73,44.15 48.53,43.95 47.72,43.95 47.53,43.76 47.53,43.45 47.73,43.25 48.43,43.25 48.93,42.75 48.93,41.65 48.73,41.45 48.33,41.45 47.98,41.1 47.98,39.9 47.63,39.55 47.13,39.55 46.81,39.87 46.81,40.72 47.43,41.34 v2(47.43,42.05)
  BOTTOM w0.165: v2(48.02,50.27) 47.23,49.49 R27.1
DDR3_A12: length 30.5
  TOP w0.165: v2(48.43,40.95) 49.14,40.95 50.75,39.34 50.75,38.52 U4.M2 ; U2.N7 51.22,51.07 v2(51.22,51.07)
  L6_SIG w0.165: v2(48.43,40.95) 46.32,40.95 46.01,41.26 46.01,45.46 45.81,45.66 45.31,45.66 45.09,45.88 45.09,46.35 45.31,46.57 47.71,46.57 50.03,48.88 50.03,49.19 49.83,49.38 49.51,49.38 49.31,49.58 49.31,49.86 49.51,50.06 49.83,50.06 50.01,50.24 50.01,50.54 50.53,51.06 50.53,51.79 51.5,52.76 51.73,52.76 51.98,52.51 51.98,52.21 51.22,51.44 v2(51.22,51.07)